# Altium PCB EVK-IRIS-W1.PcbDoc (part 6 of 9)
Units mm, origin at the board's own origin, x right, y up, seen from the top; angles counter-clockwise.
Board outline 94.11 x 129.93 mm, 6 copper layers (L1, L2, L3, L4, L5, L6), stack 1.547 mm thick; 619 components, 422 nets, 2042 pads, 1499 vias.
Unrouted connection lines stored in the file: 4.
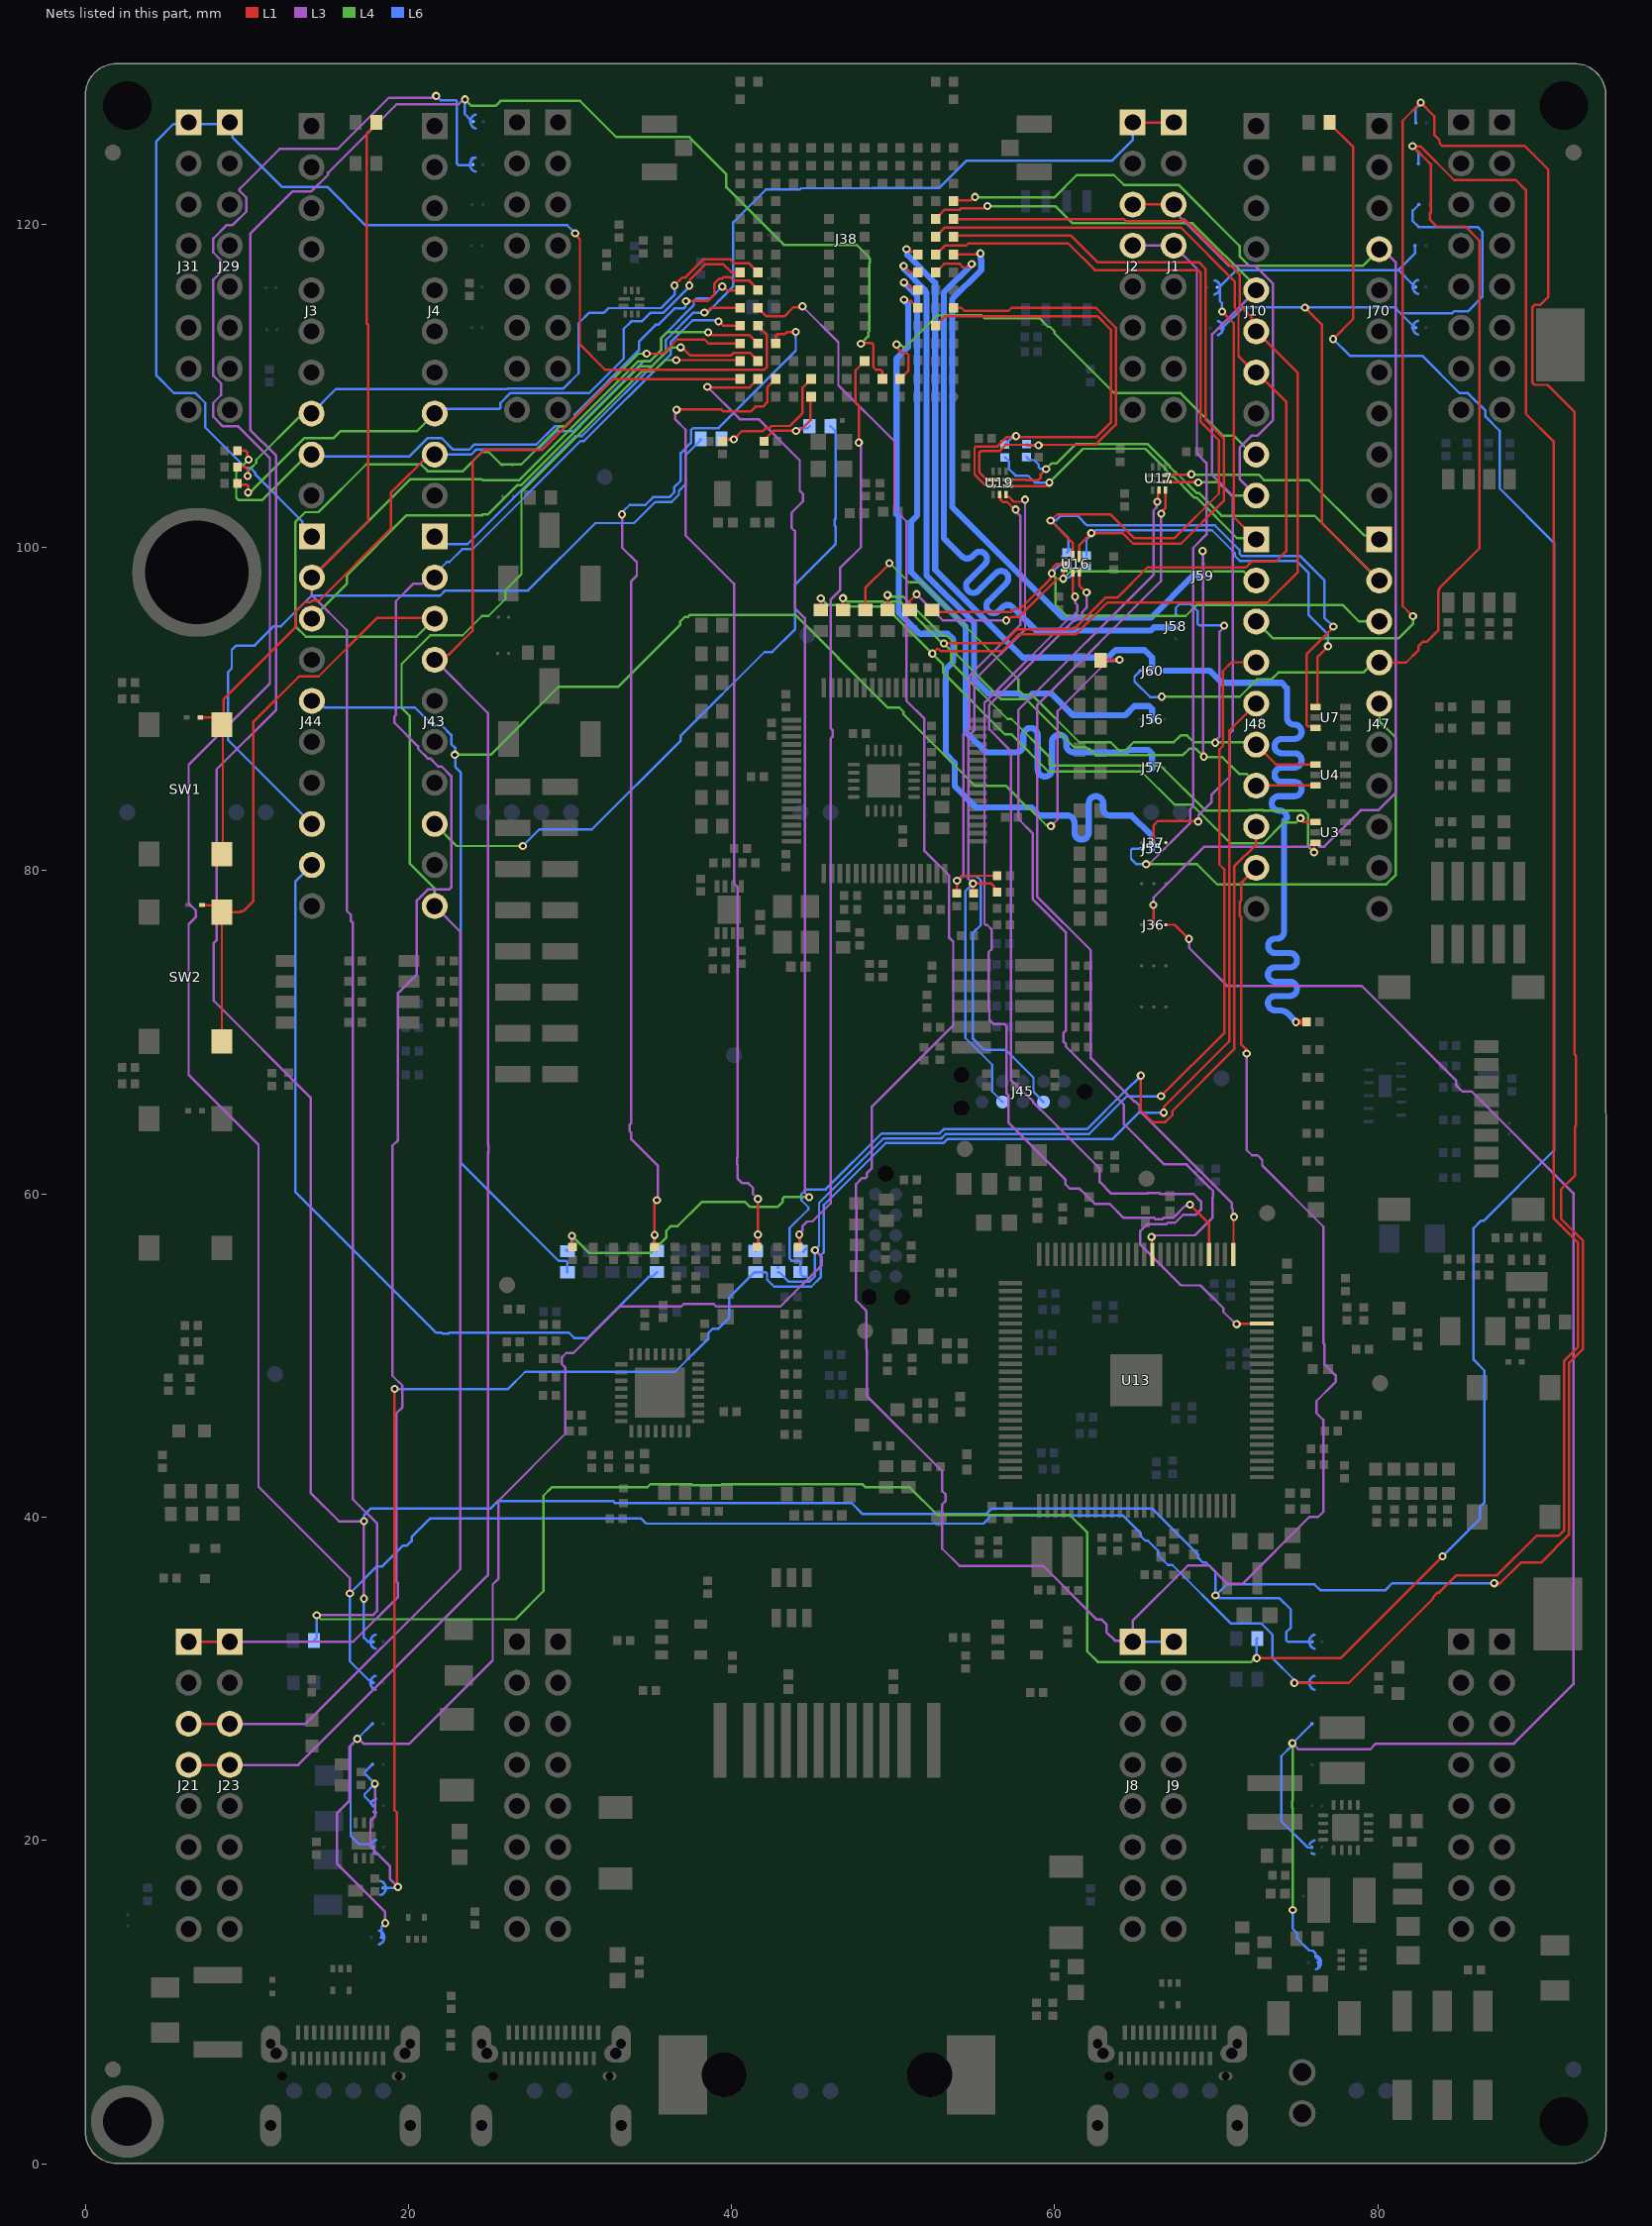
[diagram p10: the nets of this part, all layers, seen from the top]

## Via types
v1: diameter 0.508, hole 0.254, L1 to L6, 992 vias
v2: diameter 0.508, hole 0.254, L1 to L6, tented both sides, 288 vias
v3: diameter 0.5, hole 0.25, L1 to L6, 184 vias
v4: diameter 0.6, hole 0.3, L1 to L6, 27 vias
v5: diameter 0.5, hole 0.3, L1 to L6, 5 vias
v6: diameter 0.5, hole 0.2, L1 to L6, tented top, 2 vias
v7: diameter 0.6, hole 0.3, L1 to L6, tented both sides, 1 vias

## Nets (pads, with @x,y where several pads share a name; then routed paths per layer and width w, separated by ;. In a path a pad name is that pad's centre, name@x,y a point inside that pad or via, vN(x,y) a via of type N, cw(c..) or ccw(c..) an arc to the next point about the centre after c; other vN are vias at no path point) (continued)
GPIO9_U1-RxD-MOSI-SDA-TRX: J18.1 J36.3 J76.1 J79.1 | length 106.6
  L1 w0.15: J36.3@66.879,76.645 67.41,76.645 v2@68.309,75.746
  L3 w0.15: v2(68.31,75.773) 68.31,75.223 70.661,72.873 78.984,72.873 84.834,67.022 84.834,66.726 85.228,66.333 85.797,66.333 92.092,60.037 92.092,29.66 88.416,25.984 79.871,25.984 79.536,25.649 75.066,25.649 v1(74.704,26.011)
  L4 w0.15: v1(74.704,26.011) 74.725,25.99 74.725,22.45 74.689,22.413 74.689,22.016 74.725,21.98 v1(74.725,15.695)
  L6 w0.15: v1@74.725,15.697 74.725,14.53 75.006,14.249 75.006,13.929 75.758,13.178 75.975,13.178 76.151,13.001 76.151,12.785 76.49,12.446 ; J18.1@75.919,27.208 74.681,25.969 74.681,25.862 74.024,25.206 74.024,21.184 75.656,19.553 J79.1@75.936,19.553 ; 76.315,12.093 J76.1@76.315,12.446 ; 76.453,12.268 76.453,12.446
GPIO9_U1-RxD-MOSI-SDA-TRX_JTAG-TDO: J36.2 J38.A12 J70.4 | length 83.8
  L1 w0.152: J38.A12@53.731,121.466 54.805,121.466 55.013,121.675 v1(55.072,121.675) ; J36.2@66.128,76.645 v2@66.128,77.89
  L3 w0.152: v2(66.103,77.872) 66.114,77.882 66.114,78.333 69.264,81.483 75.722,81.483 75.847,81.608 76.245,81.608 76.37,81.483 76.681,81.483 78.933,83.735 80.023,83.735 81.112,84.824 81.112,117.616 80.289,118.439 J70.4@80.085,118.439
  L4 w0.152: v1(55.072,121.675) 55.112,121.635 59.962,121.635 61.357,123.029 63.665,123.029 64.275,122.419 67.665,122.419 71.439,118.645 71.439,118.014 72.04,117.413 79.06,117.413 J70.4@80.085,118.439
GPIO10_U1-RTS: J37.3
GPIO10_U1-RTS_JTAG-nRST: J10.5 J37.2 J38.B11 | length 61.7
  L1 w0.15: J37.2@66.128,81.725 66.128,82.804 66.394,83.07 68.744,83.07 v1@68.756,83.058
  L1 w0.152: J38.B11@52.612,120.312 J38.B11@52.631,120.312 52.855,120.536 52.855,120.555 53.186,120.886 54.125,120.886 54.223,120.984 55.611,120.984 55.738,121.11 v1(55.834,121.11)
  L3 w0.152: v1@68.909,83.008 68.909,83.439 69.692,84.223 69.692,84.68 70.837,85.824 70.837,88.464 71.017,88.644 71.017,103.197 69.747,104.467 69.747,113.181 J10.5@72.465,115.899
  L4 w0.152: v1(55.834,121.11) 60.045,121.11 61.115,120.04 68.533,120.04 72.465,116.108 J10.5@72.465,115.899
  other v1: 68.872,83.028
GPIO11_U3-DTR: J10.6 J38.A11 R57.2 U3.1 | length 102.6
  L1 w0.152: R57.2@45.52,96.118 v2(45.52,96.841) v2@45.52,96.886 ; v1(52.424,93.421) 52.694,93.692 52.821,93.692 52.936,93.576 56.74,93.576 57.017,93.853 57.773,94.609 61.287,94.609 63.256,96.578 73.158,96.578 75.045,98.466 75.045,110.779 J10.6@72.465,113.359 ; J38.A11@53.731,120.312 64.27,120.312 64.4,120.182 67.79,120.182 67.899,120.29 68.025,120.29 71.439,116.876 71.439,114.97 72.188,114.221 72.188,113.661 J10.6@72.49,113.359 ; v1@75.208,83.185 75.381,83.012 U3.1@76.136,83.012
  L4 w0.152: v2(45.52,96.841) 45.926,96.435 46.633,96.435 46.735,96.333 49.258,96.333 49.327,96.264 49.581,96.264 53.099,92.746 53.099,92.245 56.925,88.419 57.325,88.419 59.612,86.132 65.352,86.132 67.408,84.076 68.504,84.076 70.897,81.683 72.89,81.683 74.189,82.982 74.944,82.982 75.206,83.243 v1(75.212,83.243)
GPIO12_U3-DSR: J10.7 J38.B10 R56.2 U3.3 | length 100.8
  L1 w0.152: R56.2@46.859,96.156 R56.2@46.897,96.118 v2(46.897,96.85) 46.897,96.88 v2@46.885,96.892 ; J38.B10@52.631,119.212 53.208,119.789 53.334,119.789 53.337,119.786 67.8,119.786 71.137,116.449 71.137,114.845 71.372,114.609 71.372,111.836 J10.7@72.392,110.816 ; v1(53.135,94.056) 56.793,94.056 57.648,94.911 61.161,94.911 63.131,96.881 63.87,96.881 65.744,98.755 71.82,98.755 72.175,99.111 73.684,99.111 74.344,99.771 74.344,108.966 J10.7@72.443,110.867 ; v1(76.046,81.128) 76.046,81.622 U3.3@76.136,81.712
  L4 w0.152: v2(46.897,96.85) 46.949,96.85 47.164,96.635 49.384,96.635 49.453,96.566 49.85,96.566 49.92,96.635 50.454,96.635 52.896,94.194 52.901,94.194 53.039,94.056 v1(53.135,94.056) 53.599,93.592 53.599,92.856 57.076,89.379 57.323,89.379 59.674,87.028 59.674,86.587 59.763,86.498 66.536,86.498 69.31,83.723 72.028,83.723 72.04,83.736 72.89,83.736 72.903,83.723 75.41,83.723 75.692,83.442 75.692,81.482 v1(76.046,81.128)
GPIO13: J38.A6 R143.1 U19.1 | length 28.8
  L1 w0.152: J38.A6@53.731,114.812 54.224,114.812 54.403,114.633 57.144,114.633 57.324,114.812 62.555,114.812 63.778,113.589 63.778,107.594 62.525,106.341 v1@59.001,106.341 ; U19.1@56.145,104.184 56.107,104.222 55.745,104.222 55.341,104.627 55.341,105.855 55.43,105.944 55.62,105.944 56.578,105.944 56.975,106.341 58.251,106.341 58.277,106.316 v1(59.001,106.316)
  L6 w0.152: R143.1@58.264,106.386 58.334,106.316 v1(59.001,106.316)
GPIO13_SWCLK_ML: J45.4 R2.1 R116.2 U19.5 | length 43.9
  L1 w0.15: R2.1@54.964,78.582 54.939,78.607 v1(54.939,79.197) 56.073,79.197 56.259,79.012 56.259,78.861 R116.2@56.444,78.676
  L1 w0.152: U19.5@56.995,103.259 56.995,103.145 57.033,103.107 57.175,103.107 57.465,102.817 57.939,102.817 58.068,102.946 v1(58.164,102.946)
  L3 w0.15: v1(54.939,79.197) 54.659,79.477 54.659,88.313 55.015,88.668 55.015,91.769 58.164,94.918 v1(58.164,102.946)
  L6 w0.15: v1(54.939,79.197) 54.47,78.728 54.47,69.643 56.124,67.989 56.124,66.329 J45.4@56.769,65.684
GPIO13_U2-RxD-MOSI-SDA-RX: J28.1 J47.2 J86.1 J87.1 R143.2 U19.7 | length 76.5
  L1 w0.15: U19.7@57.095,104.184 58.228,104.184 58.251,104.161 58.988,104.161 59.12,104.293 59.12,104.504 v1@59.445,104.829 ; v1(75.487,114.833) 76.529,113.792 76.529,101.506 J47.2@80.085,97.949
  L4 w0.15: v1(59.463,104.845) 59.819,105.202 60.115,105.202 61.314,106.401 65.734,106.401 67.134,105 67.134,104.949 67.415,104.668 67.466,104.668 68.77,103.365 68.914,103.365 70.323,101.956 76.079,101.956 J47.2@80.085,97.949
  L6 w0.15: R143.2@58.264,105.586 58.449,105.401 58.541,105.401 58.552,105.39 58.729,105.39 59.01,105.109 59.01,104.946 59.098,104.858 59.45,104.858 v1(59.463,104.845) ; J86.1@70.217,113.588 J86.1@70.29,113.588 ; J86.1@70.309,113.647 70.392,113.588 ; 70.355,113.41 70.396,113.478 70.424,113.524 ; 70.423,113.62 71.637,114.833 81.048,114.833 81.412,114.469 ; 82.142,120.825 82.142,120.197 82.525,119.814 86.163,119.814 86.466,119.511 86.466,115.497 85.582,114.613 84.721,114.613 84.577,114.469 81.412,114.469 ; 82.145,113.737 81.412,114.469 ; 82.149,120.832 82.171,120.854 82.181,120.854 J28.1@82.539,121.212 ; 82.242,113.675 82.287,113.63 82.287,113.594 J87.1@82.293,113.588
  L6 w0.152: 82.119,113.588 82.164,113.617 82.224,113.657 82.224,113.66 82.225,113.661 82.184,113.723
GPIO14: J38.B5 R142.1 U19.2 | length 30.2
  L1 w0.152: J38.B5@52.631,113.712 52.855,113.936 53.205,114.286 54.125,114.286 54.141,114.302 62.637,114.302 63.475,113.464 63.475,107.72 62.58,106.824 57.604,106.824 57.03,106.824 56.452,106.246 55.745,106.246 55.127,106.246 55.038,106.157 55.038,104.502 55.692,103.848 55.774,103.848 55.804,103.818 56.061,103.818 U19.2@56.095,103.784
  L6 w0.152: R142.1@56.918,106.36 56.933,106.36 57.379,106.807 57.536,106.807 v1(57.604,106.875)
GPIO14_SWDIO_ML: J45.2 R12.1 R48.2 U19.4 | length 47.9
  L1 w0.15: R12.1@53.948,78.582 v1(53.948,79.375) 54.016,79.375 54.321,79.68 R48.2@56.435,79.68
  L1 w0.152: U19.4@56.595,103.259 56.633,103.221 56.633,103.039 56.654,103.018 56.654,102.937 56.787,102.805 57.049,102.805 57.517,102.337 v1(57.58,102.337)
  L3 w0.15: v1(53.948,79.375) 54.359,79.786 54.359,88.437 54.715,88.792 54.715,92.053 57.864,95.202 57.864,101.956 57.58,102.24 v1(57.58,102.337)
  L6 w0.15: v1(53.948,79.375) 54.023,79.375 54.324,79.676 55.137,79.676 55.428,79.385 55.428,76.63 54.942,76.144 54.942,69.595 55.63,68.907 56.971,68.907 58.684,67.193 58.684,66.309 J45.2@59.309,65.684
GPIO14_U2-TxD-MISO-SCL-WS: J26.1 J48.1 J81.1 J82.1 R142.2 U19.6 | length 53.9
  L1 w0.15: U19.6@57.095,103.784 59.492,103.784 v1@59.674,103.966 ; v1(70.356,114.579) 71.071,113.865 71.071,101.884 J48.1@72.465,100.489
  L4 w0.15: v1(59.663,104.004) 61.755,106.096 65.614,106.096 66.834,104.875 66.834,104.825 67.291,104.368 67.342,104.368 68.645,103.065 68.79,103.065 71.296,100.559 72.396,100.559 J48.1@72.465,100.489
  L6 w0.15: R142.2@56.918,105.56 56.933,105.56 57.17,105.323 57.17,104.837 57.574,104.432 58.332,104.432 58.76,104.004 v1(59.663,104.004) ; 70.217,115.881 70.217,115.241 70.356,115.102 v1(70.356,114.579) ; 70.217,115.957 70.217,115.968 70.217,116.128 70.229,116.139 71.242,117.153 81.268,117.153 ; 82.156,116.306 82.183,116.271 82.293,116.128 82.174,116.247 81.268,117.153 ; J26.1@82.293,118.668 82.293,118.178 81.268,117.153
GPIO15: J38.C6 J55.2 | length 53
  L1 w0.15: v2(50.671,115.316) 50.74,115.248 51.096,115.248 J38.C6@51.531,114.812
  L6 w0.378: v2(50.671,115.316) 50.671,115.281 50.925,115.027 50.925,112.395 50.209,111.679 50.209,102.062 50.355,101.916 50.355,95.948 51.653,94.649 53.381,94.649 53.728,94.302 53.728,92.926 53.262,92.46 53.262,87.199 53.811,86.651 53.811,85.227 55.129,83.909 56.107,83.909 58.543,83.909 59.047,83.405 59.231,83.405 60.777,83.405 cw(c60.777,82.962) 61.22,82.962 61.22,82.354 ccw(c61.663,82.354) 61.663,81.911 ccw(c61.663,82.354) 62.106,82.354 62.106,84.162 cw(c62.549,84.162) 62.549,84.605 cw(c62.549,84.162) 62.992,84.162 62.992,83.848 ccw(c63.435,83.848) 63.435,83.405 64.51,83.405 64.752,83.405 65.98,82.177 ; J55.2@66.021,81.311 66.021,82.136
GPIO15_U2-CLK: J1.4 J2.4 J47.5 J55.1 | length 72.8
  L3 w0.15: v1(65.657,80.391) 65.726,80.459 65.904,80.459 68.393,82.949 68.393,83.807 68.568,83.981 68.568,99.964 69.391,100.787 69.391,105.215 68.797,105.809 68.797,117.236 J1.4@67.365,118.668
  L3 w0.152: J2.4@64.825,118.668 J1.4@67.365,118.668
  L4 w0.15: v1(65.657,80.391) 68.815,80.391 70.062,79.144 80.51,79.144 81.11,79.744 81.11,88.214 80.085,89.239 J47.5@80.085,90.329
  L6 w0.15: J55.1@65.296,81.362 64.811,81.362 64.724,81.274 64.724,80.715 65.048,80.391 v1(65.657,80.391)
GPIO16: J38.C8 J56.2 | length 41.8
  L1 w0.15: v2(50.646,117.399) 51.033,117.012 J38.C8@51.531,117.012 J38.C8@51.306,117.237
  L6 w0.378: v2@50.671,117.222 51.967,115.926 51.967,115.834 52.063,115.738 52.063,98.261 55.009,95.314 55.009,91.816 55.868,90.957 57.806,90.957 57.98,90.783 58.471,90.783 58.645,90.957 59.768,90.957 61.117,89.609 64.356,89.609 64.924,90.177 65.832,90.177 66.021,89.988 J56.2@66.021,89.311 ; v2@50.671,117.45 50.696,117.425 v2@50.696,117.273
GPIO16_FC2-I2C-SDA-ML: U13.86 U17.4 | length 59.9
  L1 w0.15: v1(65.988,57.328) 66.014,57.301 66.014,56.279 U13.86@66.041,56.252
  L1 w0.152: v1(66.343,102.819) 66.405,102.881 66.405,103.495 U17.4@66.443,103.533
  L3 w0.15: v1(65.988,57.328) 66.056,57.396 66.221,57.396 66.254,57.429 68.668,57.429 69.773,58.534 69.773,59.769 69.792,59.788 69.792,60.185 69.511,60.465 68.157,61.82 66.779,61.82 64.289,64.309 64.289,65.505 60.705,69.089 60.705,69.249 60.55,69.404 60.55,69.966 60.705,70.122 60.705,76.166 58.626,78.245 58.626,82.309 57.747,83.189 57.747,89.946 66.122,98.321 66.122,101.881 66.118,101.884 66.118,102.281 66.311,102.474 66.311,102.772 v1@66.343,102.804
GPIO16_U2-CTS-CS: J1.3 J2.3 J10.10 U17.6 | length 31.4
  L1 w0.152: J2.3@64.825,121.208 J1.3@67.365,121.208 ; U17.6@66.943,104.058 67.154,104.058 67.171,104.041 68.855,104.041 v1(68.883,104.013)
  L3 w0.152: J1.3@67.365,121.208 67.365,120.823 70.775,117.413 72.403,117.413 73.492,116.324 73.492,107.854 72.56,106.923 72.197,106.923 71.439,106.164 71.439,104.226 J10.10@72.465,103.199
  L4 w0.152: v1(68.883,104.013) 70.128,104.013 70.941,103.199 J10.10@72.465,103.199
GPIO17: J38.C7 J57.2 | length 50.6
  L1 w0.15: v2(50.671,116.383) 50.768,116.383 51.094,116.057 51.386,116.057 J38.C7@51.531,115.912
  L6 w0.378: v2(50.671,116.383) 51.493,115.561 51.493,101.964 51.103,101.574 51.103,98.474 54.481,95.096 54.481,88.588 55.754,87.316 57.428,87.316 57.617,87.316 ccw(c57.617,87.759) 58.06,87.759 58.06,88.373 cw(c58.503,88.373) 58.503,88.816 cw(c58.503,88.373) 58.946,88.373 58.946,86.259 ccw(c59.389,86.259) 59.389,85.816 ccw(c59.389,86.259) 59.832,86.259 59.832,87.965 cw(c60.275,87.965) 60.275,88.408 cw(c60.275,87.965) 60.718,87.965 60.718,87.759 ccw(c61.161,87.759) 61.161,87.316 64.163,87.316 64.416,87.316 64.57,87.47 65.778,87.47 66.021,87.228 J57.2@66.021,86.311
GPIO17_FC2-I2C-SCL-ML: U13.76 U17.5 | length 55.7
  L1 w0.15: U13.76@71.041,56.252 71.067,56.279 71.067,58.546 v1(71.093,58.572)
  L1 w0.152: v1(66.597,102.083) 66.597,102.179 66.843,102.424 U17.5@66.843,103.533
  L3 w0.15: v1(66.597,102.083) 66.565,102.05 66.565,97.9 58.926,90.261 58.926,78.37 62.232,75.064 62.232,71.826 62.207,71.801 62.207,71.404 62.232,71.379 62.232,70.531 62.207,70.506 62.207,70.109 62.232,70.083 62.232,68.399 64.899,65.732 64.967,65.732 65.247,65.451 65.247,65.153 70.953,59.448 70.953,59.126 71.028,59.051 71.028,58.637 v1(71.093,58.572)
GPIO17_U2-RTS: J47.1 U17.7 | length 14.8
  L1 w0.15: U17.7@66.943,104.458 66.974,104.49 68.42,104.49 v1(68.451,104.521)
  L4 w0.15: v1(68.451,104.521) 68.48,104.492 72.622,104.492 72.963,104.151 75.73,104.151 79.148,100.733 79.841,100.733 J47.1@80.085,100.489
GPIO18: J38.C9 J60.2 | length 38.3
  L1 w0.15: v2(50.824,118.44) 50.921,118.44 51.094,118.267 51.377,118.267 J38.C9@51.531,118.112
  L6 w0.378: v2@50.861,118.44 50.849,118.427 50.849,118.323 50.874,118.298 50.874,118.085 52.602,116.358 52.602,98.603 58.028,93.177 63.3,93.177 63.763,93.639 65.558,93.639 66.021,93.177 J60.2@66.021,92.311
GPIO18__Mikro-INT0: J47.4 J60.1 J62.1 J91.1 J92.1 J93.1 | length 362.7
  L1 w0.15: v1(74.827,29.743) 78.207,29.743 83.417,34.954 83.417,35.047 83.698,35.328 83.791,35.328 84.861,36.398 87.372,36.398 89.804,38.831 91.186,38.831 91.515,39.159 91.515,49.65 92.393,50.528 92.393,56.963 90.889,58.467 90.889,106.525 89.158,108.256 89.158,122.098 88.532,122.723 84.721,122.723 82.627,124.817 82.156,124.817 83.267,123.705 83.267,120.702 83.223,120.658 83.223,120.261 83.627,119.857 85.406,119.857 86.285,118.978 86.285,99.94 83.793,97.448 83.793,97.364 83.745,97.316 83.745,94.87 83.029,94.154 82.783,94.154 82.503,93.874 82.503,93.628 81.744,92.869 J47.4@80.085,92.869
  L3 w0.15: v1(16.375,35.279) 16.375,36.229 10.723,41.881 10.723,63.048 6.405,67.366 6.405,76.676 6.853,77.125 6.853,77.521 6.405,77.97 6.405,86.543 11.43,91.568 11.43,105.524 9.471,107.483 8.521,107.483 7.92,108.083 7.92,108.933 8.413,109.425 8.413,110.131 7.92,110.623 7.92,116.553 8.413,117.045 8.413,117.751 7.92,118.243 7.92,119.093 8.766,119.938 9.125,119.938 9.97,120.783 9.97,121.633 9.556,122.047 9.556,122.172 12.035,124.651 15.633,124.651 18.802,127.82 21.451,127.82 21.487,127.856 21.65,127.856 v1(21.718,127.924)
  L4 w0.15: v1(66.625,90.76) 71.447,90.76 72.531,91.844 73.428,91.844 73.836,92.253 79.1,92.253 79.716,92.869 J47.4@80.085,92.869
  L6 w0.15: 17.672,29.897 17.748,29.82 17.765,29.82 17.82,29.765 J93.1@17.82,29.748 ; 17.683,29.926 17.535,29.926 16.375,31.086 v1(16.375,35.279) 18.052,36.957 18.397,36.957 19.678,38.238 19.917,38.238 20.196,38.517 20.196,38.756 21.367,39.928 34.386,39.928 34.72,39.594 55.582,39.594 56.094,40.107 64.201,40.107 65.331,38.977 65.331,38.816 65.611,38.535 65.772,38.535 66.394,37.914 66.394,37.651 67.008,37.037 67.279,37.037 70.89,33.426 72.769,33.426 73.481,32.715 73.481,31.267 74.758,29.99 74.758,29.812 v1(74.827,29.743) 74.831,29.748 J62.1@75.919,29.748 ; v1(21.718,127.924) 21.727,127.924 21.985,127.666 22.917,127.666 23.005,127.578 23.005,123.741 23.093,123.653 23.851,123.653 23.873,123.676 ; 23.873,123.891 23.873,124.001 23.979,124.107 24.152,124.107 ; 64.937,92.004 64.937,91.704 65.911,90.729 v1@66.623,90.729 ; 64.938,92.004 J60.1@65.296,92.362 ; v1(82.148,124.819) 82.504,124.464 82.504,124.055 J91.1@82.504,123.702
  L6 w0.152: 17.748,29.82 17.748,29.838
GPIO18_SDIO-D2: J60.3 R83.1 | length 44.5
  L1 w0.15: v1@74.979,70.637 v1@74.984,70.642
  L1 w0.378: v1@74.984,70.642 R83.1@75.58,70.642
  L6 w0.378: J60.3@66.797,92.362 69.596,92.362 70.34,91.618 74.039,91.618 74.37,91.288 74.37,89.662 74.37,89.473 ccw(c74.813,89.473) 74.813,89.03 74.834,89.03 cw(c74.834,88.587) 75.277,88.587 cw(c74.834,88.587) 74.834,88.144 74.047,88.144 ccw(c74.047,87.701) 73.604,87.701 ccw(c74.047,87.701) 74.047,87.258 74.834,87.258 cw(c74.834,86.815) 75.277,86.815 cw(c74.834,86.815) 74.834,86.372 74.047,86.372 ccw(c74.047,85.929) 73.604,85.929 ccw(c74.047,85.929) 74.047,85.486 74.834,85.486 cw(c74.834,85.043) 75.277,85.043 cw(c74.834,85.043) 74.834,84.6 73.87,84.6 ccw(c73.87,84.157) 73.427,84.157 ccw(c73.87,84.157) 73.87,83.714 73.927,83.714 cw(c73.927,83.271) 74.37,83.271 74.37,83.24 74.192,83.062 74.192,81.788 74.192,76.937 74.192,76.226 cw(c73.749,76.226) 73.749,75.783 73.647,75.783 ccw(c73.647,75.34) 73.204,75.34 ccw(c73.647,75.34) 73.647,74.897 74.546,74.897 cw(c74.546,74.454) 74.989,74.454 cw(c74.546,74.454) 74.546,74.011 73.635,74.011 ccw(c73.635,73.568) 73.192,73.568 ccw(c73.635,73.568) 73.635,73.125 74.546,73.125 cw(c74.546,72.682) 74.989,72.682 cw(c74.546,72.682) 74.546,72.239 73.635,72.239 ccw(c73.635,71.796) 73.192,71.796 ccw(c73.635,71.796) 73.635,71.353 73.92,71.353 cw(c73.92,70.596) 74.454,71.131 74.643,70.942 74.924,70.661 v1(74.924,70.626)
GPIO19_U3-RTS: J48.6 J58.1 R55.2 U4.1 | length 48.3
  L1 w0.15: R55.2@48.274,96.118 48.274,97.476 v1@49.782,98.984 ; J48.6@72.465,87.789 73.687,86.568 U4.1@76.136,86.568
  L1 w0.152: U4.1@76.13,86.562 U4.1@76.136,86.568
  L3 w0.15: v1(69.926,87.91) 69.926,88.007 70.205,88.287 70.205,94.772 70.486,95.052 v1(70.486,95.149)
  L4 w0.15: v1@49.723,99.094 50.976,97.841 51.736,97.841 57.747,91.83 57.747,91.178 58.027,90.897 58.555,90.897 61.517,87.935 63.467,87.935 63.972,87.43 64.369,87.43 64.874,87.935 67.368,87.935 67.796,88.363 68.193,88.363 68.621,87.935 72.32,87.935 J48.6@72.465,87.789
  L6 w0.15: J58.1@67.486,95.848 67.486,96.241 67.74,96.495 68.401,96.495 68.832,96.063 68.832,95.262 68.92,95.174 v1@70.509,95.174
  other v1: 49.762,99.015
GPIO19_U3-RTS_SDIO-D0: J38.B8 J58.2 | length 44.9
  L1 w0.15: J38.B8@52.631,117.012 53.156,117.537 54.124,117.537 54.256,117.405 54.256,117.351 54.295,117.312 54.634,117.312 54.847,117.526 v1(54.862,117.526)
  L6 w0.378: v1(54.862,117.526) 54.862,117.491 53.13,115.758 53.13,100.564 53.288,100.406 53.421,100.273 54.263,99.431 ccw(c54.576,99.744) 54.889,99.431 55.057,99.599 cw(c55.37,99.285) 55.683,99.599 cw(c55.37,99.285) 55.683,98.972 54.644,97.933 ccw(c54.958,97.62) 54.644,97.307 ccw(c54.958,97.62) 55.271,97.307 56.374,98.41 cw(c56.687,98.097) 57.001,98.41 cw(c56.687,98.097) 57.001,97.783 55.897,96.68 ccw(c56.211,96.367) 55.897,96.054 ccw(c56.211,96.367) 56.524,96.054 56.769,96.299 cw(c57.082,95.985) 57.395,96.299 57.529,96.165 58.838,94.856 61.199,94.856 ; 61.187,94.844 65.937,94.844 66.14,95.047 J58.2@67.461,95.047 ; 61.212,94.894 61.225,94.907